# EAGLE board RedBoard-Panel (EAGLE 9.6.2), part 1 of 6 (continued)
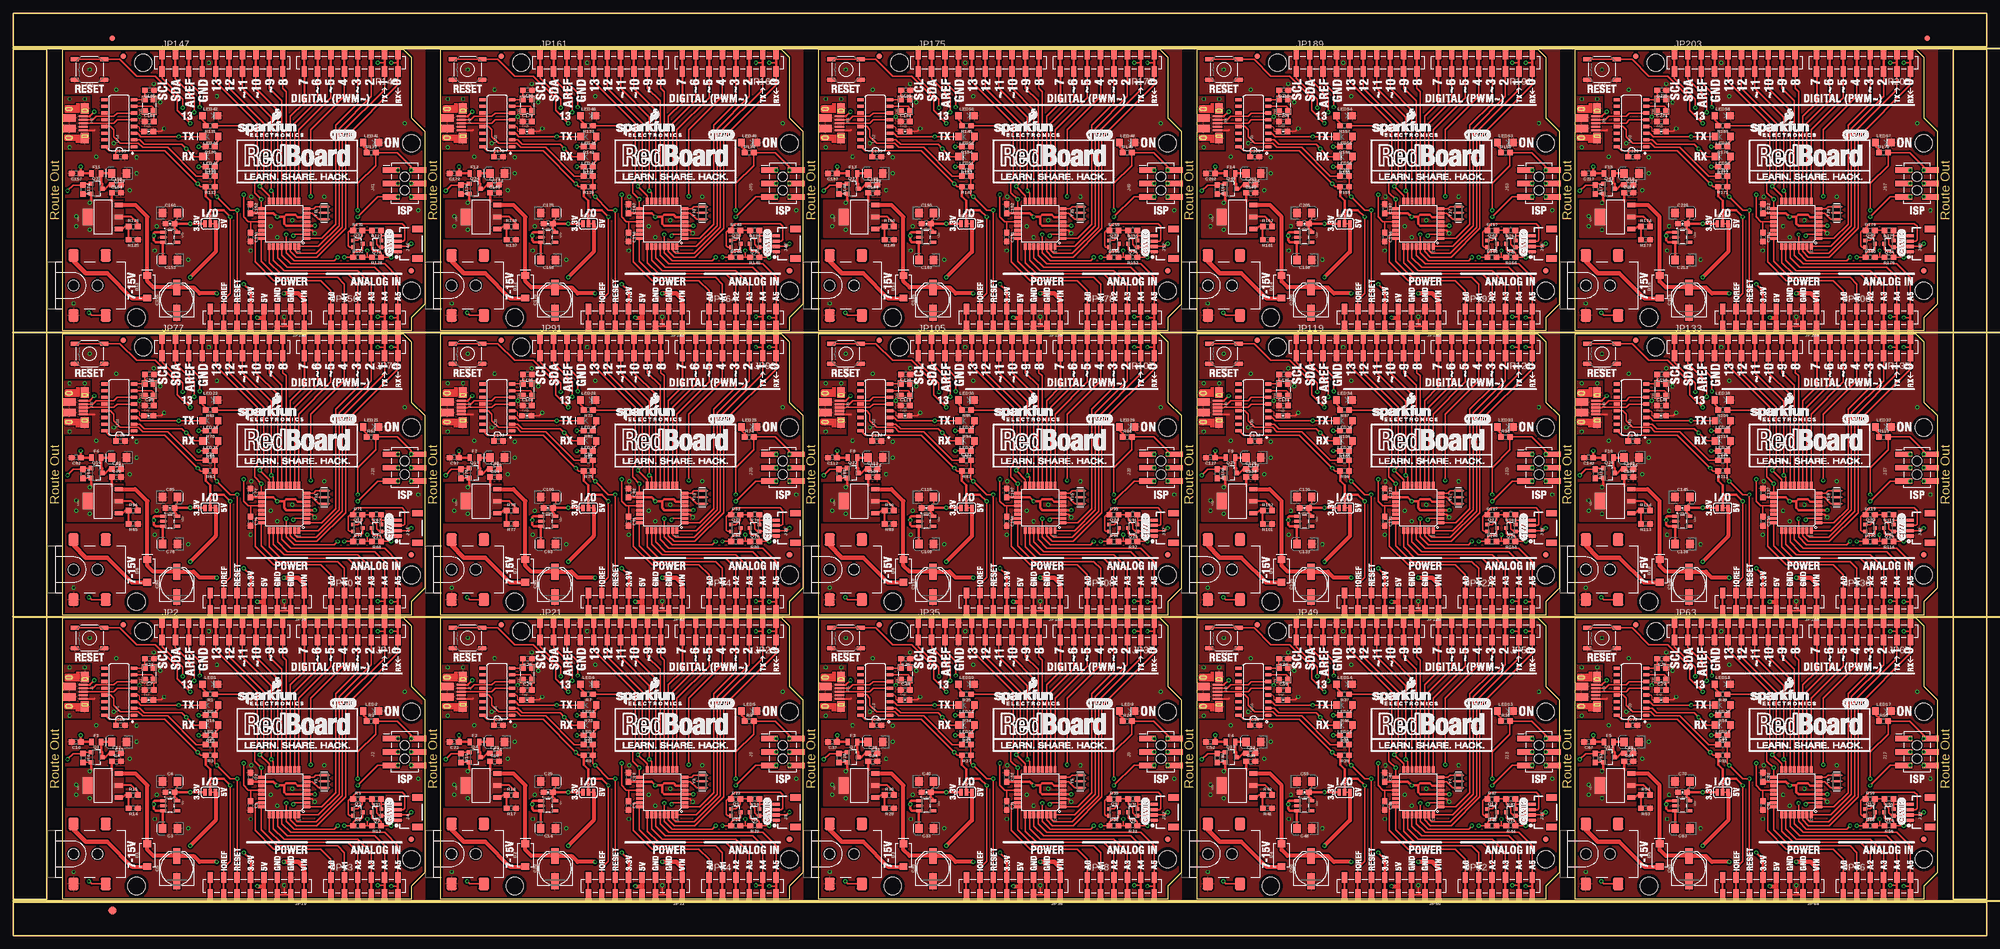
[diagram p0: board, top side]
## Placement (x,y rotation side) (continued)
J55  AMP FCI 10103594-0001LF  [USB-MICROB-PTH-MILL]  226.82,153.92 270 top
J56  [1X04_1MM_RA]  287.78,131.06 90 top
J57  ISP  [2X3_SMT_POSTS]  360.68,142.49 270 top
J58  POWER_JACKSUPER_BOMB_DIGITY  [POWER_JACK_SMD_OVERPASTE_SUPER_BOMB_DIGITY]  297.94,123.19 0 top
J59  AMP FCI 10103594-0001LF  [USB-MICROB-PTH-MILL]  298.45,153.92 270 top
J60  [1X04_1MM_RA]  359.41,131.06 90 top
JP1  STAND-OFF  [STAND-OFF]  95,9.4 0 top
JP2  M10SMD_COMBO  [1X10_SMD_COMBINED]  28.19,57.66 0 top
JP3  STAND-OFF  [STAND-OFF]  23.37,9.4 0 top
JP4  STAND-OFF  [STAND-OFF]  75.44,14.48 0 top
JP5  STAND-OFF  [STAND-OFF]  75.44,42.42 0 top
JP6  STAND-OFF  [STAND-OFF]  24.64,57.66 0 top
JP7  STAND-OFF  [STAND-OFF]  147.07,14.48 0 top
JP8  FIDUCIAL1X2  [FIDUCIAL-1X2]  75.44,18.29 0 top
JP9  FIDUCIAL1X2  [FIDUCIAL-1X2]  20.83,58.93 0 top
JP10  [1X08_SMD_COMBINED]  55.12,9.4 180 top
JP11  JP11  [1X08_SMD_COMBINED@1]  72.9,57.66 180 top
JP12  [SMT-JUMPER_2_NC_TRACE_SILK]  71.63,19.18 270 bottom
JP13  [1X06_SMD_STRAIGHT_COMBO]  60.2,9.4 0 top
JP14  [SMT-JUMPER_2_NC_TRACE_SILK]  62.74,19.18 270 bottom
JP15  FIDUCIAL1X2  [FIDUCIAL-1X2]  20.83,58.93 0 bottom
JP16  FIDUCIAL1X2  [FIDUCIAL-1X2]  75.44,18.29 0 bottom
JP17  STAND-OFF  [STAND-OFF]  147.07,42.42 0 top
JP18  STAND-OFF  [STAND-OFF]  96.27,57.66 0 top
JP19  FIDUCIAL1X2  [FIDUCIAL-1X2]  147.07,18.29 0 top
JP20  FIDUCIAL1X2  [FIDUCIAL-1X2]  92.46,58.93 0 top
JP21  M10SMD_COMBO  [1X10_SMD_COMBINED]  99.82,57.66 0 top
JP22  [1X08_SMD_COMBINED]  126.75,9.4 180 top
JP23  JP11  [1X08_SMD_COMBINED@1]  144.53,57.66 180 top
JP24  [1X06_SMD_STRAIGHT_COMBO]  131.83,9.4 0 top
JP25  [SMT-JUMPER_2_NC_TRACE_SILK]  143.26,19.18 270 bottom
JP26  [SMT-JUMPER_2_NC_TRACE_SILK]  134.37,19.18 270 bottom
JP27  FIDUCIAL1X2  [FIDUCIAL-1X2]  92.46,58.93 0 bottom
JP28  FIDUCIAL1X2  [FIDUCIAL-1X2]  147.07,18.29 0 bottom
JP29  STAND-OFF  [STAND-OFF]  166.62,9.4 0 top
JP30  STAND-OFF  [STAND-OFF]  218.69,14.48 0 top
JP31  STAND-OFF  [STAND-OFF]  218.69,42.42 0 top
JP32  STAND-OFF  [STAND-OFF]  167.89,57.66 0 top
JP33  FIDUCIAL1X2  [FIDUCIAL-1X2]  218.69,18.29 0 top
JP34  FIDUCIAL1X2  [FIDUCIAL-1X2]  164.08,58.93 0 top
JP35  M10SMD_COMBO  [1X10_SMD_COMBINED]  171.45,57.66 0 top
JP36  [1X08_SMD_COMBINED]  198.37,9.4 180 top
JP37  JP11  [1X08_SMD_COMBINED@1]  216.15,57.66 180 top
JP38  [1X06_SMD_STRAIGHT_COMBO]  203.45,9.4 0 top
JP39  [SMT-JUMPER_2_NC_TRACE_SILK]  214.88,19.18 270 bottom
JP40  [SMT-JUMPER_2_NC_TRACE_SILK]  205.99,19.18 270 bottom
JP41  FIDUCIAL1X2  [FIDUCIAL-1X2]  164.08,58.93 0 bottom
JP42  FIDUCIAL1X2  [FIDUCIAL-1X2]  218.69,18.29 0 bottom
JP43  STAND-OFF  [STAND-OFF]  238.25,9.4 0 top
JP44  STAND-OFF  [STAND-OFF]  290.32,14.48 0 top
JP45  STAND-OFF  [STAND-OFF]  290.32,42.42 0 top
JP46  STAND-OFF  [STAND-OFF]  239.52,57.66 0 top
JP47  FIDUCIAL1X2  [FIDUCIAL-1X2]  290.32,18.29 0 top
JP48  FIDUCIAL1X2  [FIDUCIAL-1X2]  235.71,58.93 0 top
JP49  M10SMD_COMBO  [1X10_SMD_COMBINED]  243.08,57.66 0 top
JP50  [1X08_SMD_COMBINED]  270,9.4 180 top
JP51  JP11  [1X08_SMD_COMBINED@1]  287.78,57.66 180 top
JP52  [1X06_SMD_STRAIGHT_COMBO]  275.08,9.4 0 top
JP53  [SMT-JUMPER_2_NC_TRACE_SILK]  286.51,19.18 270 bottom
JP54  [SMT-JUMPER_2_NC_TRACE_SILK]  277.62,19.18 270 bottom
JP55  FIDUCIAL1X2  [FIDUCIAL-1X2]  235.71,58.93 0 bottom
JP56  FIDUCIAL1X2  [FIDUCIAL-1X2]  290.32,18.29 0 bottom
JP57  STAND-OFF  [STAND-OFF]  309.88,9.4 0 top
JP58  STAND-OFF  [STAND-OFF]  361.95,14.48 0 top
JP59  STAND-OFF  [STAND-OFF]  361.95,42.42 0 top
JP60  STAND-OFF  [STAND-OFF]  311.15,57.66 0 top
JP61  FIDUCIAL1X2  [FIDUCIAL-1X2]  361.95,18.29 0 top
JP62  FIDUCIAL1X2  [FIDUCIAL-1X2]  307.34,58.93 0 top
JP63  M10SMD_COMBO  [1X10_SMD_COMBINED]  314.71,57.66 0 top
JP64  [1X08_SMD_COMBINED]  341.63,9.4 180 top
JP65  JP11  [1X08_SMD_COMBINED@1]  359.41,57.66 180 top
JP66  [1X06_SMD_STRAIGHT_COMBO]  346.71,9.4 0 top
JP67  [SMT-JUMPER_2_NC_TRACE_SILK]  358.14,19.18 270 bottom
JP68  [SMT-JUMPER_2_NC_TRACE_SILK]  349.25,19.18 270 bottom
JP69  FIDUCIAL1X2  [FIDUCIAL-1X2]  307.34,58.93 0 bottom
JP70  FIDUCIAL1X2  [FIDUCIAL-1X2]  361.95,18.29 0 bottom
JP71  STAND-OFF  [STAND-OFF]  23.37,63.25 0 top
JP72  STAND-OFF  [STAND-OFF]  75.44,68.33 0 top
JP73  STAND-OFF  [STAND-OFF]  75.44,96.27 0 top
JP74  STAND-OFF  [STAND-OFF]  24.64,111.51 0 top
JP75  FIDUCIAL1X2  [FIDUCIAL-1X2]  75.44,72.14 0 top
JP76  FIDUCIAL1X2  [FIDUCIAL-1X2]  20.83,112.78 0 top
JP77  M10SMD_COMBO  [1X10_SMD_COMBINED]  28.19,111.51 0 top
JP78  [1X08_SMD_COMBINED]  55.12,63.25 180 top
JP79  JP11  [1X08_SMD_COMBINED@1]  72.9,111.51 180 top
JP80  [1X06_SMD_STRAIGHT_COMBO]  60.2,63.25 0 top
JP81  [SMT-JUMPER_2_NC_TRACE_SILK]  71.63,73.03 270 bottom
JP82  [SMT-JUMPER_2_NC_TRACE_SILK]  62.74,73.03 270 bottom
JP83  FIDUCIAL1X2  [FIDUCIAL-1X2]  20.83,112.78 0 bottom
JP84  FIDUCIAL1X2  [FIDUCIAL-1X2]  75.44,72.14 0 bottom
JP85  STAND-OFF  [STAND-OFF]  95,63.25 0 top
JP86  STAND-OFF  [STAND-OFF]  147.07,68.33 0 top
JP87  STAND-OFF  [STAND-OFF]  147.07,96.27 0 top
JP88  STAND-OFF  [STAND-OFF]  96.27,111.51 0 top
JP89  FIDUCIAL1X2  [FIDUCIAL-1X2]  147.07,72.14 0 top
JP90  FIDUCIAL1X2  [FIDUCIAL-1X2]  92.46,112.78 0 top
JP91  M10SMD_COMBO  [1X10_SMD_COMBINED]  99.82,111.51 0 top
JP92  [1X08_SMD_COMBINED]  126.75,63.25 180 top
JP93  JP11  [1X08_SMD_COMBINED@1]  144.53,111.51 180 top
JP94  [1X06_SMD_STRAIGHT_COMBO]  131.83,63.25 0 top
JP95  [SMT-JUMPER_2_NC_TRACE_SILK]  143.26,73.03 270 bottom
JP96  [SMT-JUMPER_2_NC_TRACE_SILK]  134.37,73.03 270 bottom
JP97  FIDUCIAL1X2  [FIDUCIAL-1X2]  92.46,112.78 0 bottom
JP98  FIDUCIAL1X2  [FIDUCIAL-1X2]  147.07,72.14 0 bottom
JP99  STAND-OFF  [STAND-OFF]  166.62,63.25 0 top
JP100  STAND-OFF  [STAND-OFF]  218.69,68.33 0 top
JP101  STAND-OFF  [STAND-OFF]  218.69,96.27 0 top
JP102  STAND-OFF  [STAND-OFF]  167.89,111.51 0 top
JP103  FIDUCIAL1X2  [FIDUCIAL-1X2]  218.69,72.14 0 top
JP104  FIDUCIAL1X2  [FIDUCIAL-1X2]  164.08,112.78 0 top
JP105  M10SMD_COMBO  [1X10_SMD_COMBINED]  171.45,111.51 0 top
JP106  [1X08_SMD_COMBINED]  198.37,63.25 180 top
JP107  JP11  [1X08_SMD_COMBINED@1]  216.15,111.51 180 top
JP108  [1X06_SMD_STRAIGHT_COMBO]  203.45,63.25 0 top
JP109  [SMT-JUMPER_2_NC_TRACE_SILK]  214.88,73.03 270 bottom
JP110  [SMT-JUMPER_2_NC_TRACE_SILK]  205.99,73.03 270 bottom
JP111  FIDUCIAL1X2  [FIDUCIAL-1X2]  164.08,112.78 0 bottom
JP112  FIDUCIAL1X2  [FIDUCIAL-1X2]  218.69,72.14 0 bottom
JP113  STAND-OFF  [STAND-OFF]  238.25,63.25 0 top
JP114  STAND-OFF  [STAND-OFF]  290.32,68.33 0 top
JP115  STAND-OFF  [STAND-OFF]  290.32,96.27 0 top
JP116  STAND-OFF  [STAND-OFF]  239.52,111.51 0 top
JP117  FIDUCIAL1X2  [FIDUCIAL-1X2]  290.32,72.14 0 top
JP118  FIDUCIAL1X2  [FIDUCIAL-1X2]  235.71,112.78 0 top
JP119  M10SMD_COMBO  [1X10_SMD_COMBINED]  243.08,111.51 0 top
JP120  [1X08_SMD_COMBINED]  270,63.25 180 top
JP121  JP11  [1X08_SMD_COMBINED@1]  287.78,111.51 180 top
JP122  [1X06_SMD_STRAIGHT_COMBO]  275.08,63.25 0 top
JP123  [SMT-JUMPER_2_NC_TRACE_SILK]  286.51,73.03 270 bottom
JP124  [SMT-JUMPER_2_NC_TRACE_SILK]  277.62,73.03 270 bottom
JP125  FIDUCIAL1X2  [FIDUCIAL-1X2]  235.71,112.78 0 bottom
JP126  FIDUCIAL1X2  [FIDUCIAL-1X2]  290.32,72.14 0 bottom
JP127  STAND-OFF  [STAND-OFF]  309.88,63.25 0 top
JP128  STAND-OFF  [STAND-OFF]  361.95,68.33 0 top
JP129  STAND-OFF  [STAND-OFF]  361.95,96.27 0 top
JP130  STAND-OFF  [STAND-OFF]  311.15,111.51 0 top
JP131  FIDUCIAL1X2  [FIDUCIAL-1X2]  361.95,72.14 0 top
JP132  FIDUCIAL1X2  [FIDUCIAL-1X2]  307.34,112.78 0 top
JP133  M10SMD_COMBO  [1X10_SMD_COMBINED]  314.71,111.51 0 top
JP134  [1X08_SMD_COMBINED]  341.63,63.25 180 top
JP135  JP11  [1X08_SMD_COMBINED@1]  359.41,111.51 180 top
JP136  [1X06_SMD_STRAIGHT_COMBO]  346.71,63.25 0 top
JP137  [SMT-JUMPER_2_NC_TRACE_SILK]  358.14,73.03 270 bottom
JP138  [SMT-JUMPER_2_NC_TRACE_SILK]  349.25,73.03 270 bottom
JP139  FIDUCIAL1X2  [FIDUCIAL-1X2]  307.34,112.78 0 bottom
JP140  FIDUCIAL1X2  [FIDUCIAL-1X2]  361.95,72.14 0 bottom
JP141  STAND-OFF  [STAND-OFF]  23.37,117.09 0 top
JP142  STAND-OFF  [STAND-OFF]  75.44,122.17 0 top
JP143  STAND-OFF  [STAND-OFF]  75.44,150.11 0 top
JP144  STAND-OFF  [STAND-OFF]  24.64,165.35 0 top
JP145  FIDUCIAL1X2  [FIDUCIAL-1X2]  75.44,125.98 0 top
JP146  FIDUCIAL1X2  [FIDUCIAL-1X2]  20.83,166.62 0 top
JP147  M10SMD_COMBO  [1X10_SMD_COMBINED]  28.19,165.35 0 top
JP148  [1X08_SMD_COMBINED]  55.12,117.09 180 top
JP149  JP11  [1X08_SMD_COMBINED@1]  72.9,165.35 180 top
JP150  [1X06_SMD_STRAIGHT_COMBO]  60.2,117.09 0 top
JP151  [SMT-JUMPER_2_NC_TRACE_SILK]  71.63,126.87 270 bottom
JP152  [SMT-JUMPER_2_NC_TRACE_SILK]  62.74,126.87 270 bottom
JP153  FIDUCIAL1X2  [FIDUCIAL-1X2]  20.83,166.62 0 bottom
JP154  FIDUCIAL1X2  [FIDUCIAL-1X2]  75.44,125.98 0 bottom
JP155  STAND-OFF  [STAND-OFF]  95,117.09 0 top
JP156  STAND-OFF  [STAND-OFF]  147.07,122.17 0 top
JP157  STAND-OFF  [STAND-OFF]  147.07,150.11 0 top
JP158  STAND-OFF  [STAND-OFF]  96.27,165.35 0 top
JP159  FIDUCIAL1X2  [FIDUCIAL-1X2]  147.07,125.98 0 top
JP160  FIDUCIAL1X2  [FIDUCIAL-1X2]  92.46,166.62 0 top
JP161  M10SMD_COMBO  [1X10_SMD_COMBINED]  99.82,165.35 0 top
JP162  [1X08_SMD_COMBINED]  126.75,117.09 180 top
JP163  JP11  [1X08_SMD_COMBINED@1]  144.53,165.35 180 top
JP164  [1X06_SMD_STRAIGHT_COMBO]  131.83,117.09 0 top
JP165  [SMT-JUMPER_2_NC_TRACE_SILK]  143.26,126.87 270 bottom
JP166  [SMT-JUMPER_2_NC_TRACE_SILK]  134.37,126.87 270 bottom
JP167  FIDUCIAL1X2  [FIDUCIAL-1X2]  92.46,166.62 0 bottom
JP168  FIDUCIAL1X2  [FIDUCIAL-1X2]  147.07,125.98 0 bottom
JP169  STAND-OFF  [STAND-OFF]  166.62,117.09 0 top
JP170  STAND-OFF  [STAND-OFF]  218.69,122.17 0 top
JP171  STAND-OFF  [STAND-OFF]  218.69,150.11 0 top
JP172  STAND-OFF  [STAND-OFF]  167.89,165.35 0 top
JP173  FIDUCIAL1X2  [FIDUCIAL-1X2]  218.69,125.98 0 top
JP174  FIDUCIAL1X2  [FIDUCIAL-1X2]  164.08,166.62 0 top
JP175  M10SMD_COMBO  [1X10_SMD_COMBINED]  171.45,165.35 0 top
JP176  [1X08_SMD_COMBINED]  198.37,117.09 180 top
JP177  JP11  [1X08_SMD_COMBINED@1]  216.15,165.35 180 top
JP178  [1X06_SMD_STRAIGHT_COMBO]  203.45,117.09 0 top
JP179  [SMT-JUMPER_2_NC_TRACE_SILK]  214.88,126.87 270 bottom
JP180  [SMT-JUMPER_2_NC_TRACE_SILK]  205.99,126.87 270 bottom
JP181  FIDUCIAL1X2  [FIDUCIAL-1X2]  164.08,166.62 0 bottom
JP182  FIDUCIAL1X2  [FIDUCIAL-1X2]  218.69,125.98 0 bottom
JP183  STAND-OFF  [STAND-OFF]  238.25,117.09 0 top
JP184  STAND-OFF  [STAND-OFF]  290.32,122.17 0 top
JP185  STAND-OFF  [STAND-OFF]  290.32,150.11 0 top
JP186  STAND-OFF  [STAND-OFF]  239.52,165.35 0 top
JP187  FIDUCIAL1X2  [FIDUCIAL-1X2]  290.32,125.98 0 top
JP188  FIDUCIAL1X2  [FIDUCIAL-1X2]  235.71,166.62 0 top
JP189  M10SMD_COMBO  [1X10_SMD_COMBINED]  243.08,165.35 0 top
JP190  [1X08_SMD_COMBINED]  270,117.09 180 top
JP191  JP11  [1X08_SMD_COMBINED@1]  287.78,165.35 180 top
JP192  [1X06_SMD_STRAIGHT_COMBO]  275.08,117.09 0 top
JP193  [SMT-JUMPER_2_NC_TRACE_SILK]  286.51,126.87 270 bottom
JP194  [SMT-JUMPER_2_NC_TRACE_SILK]  277.62,126.87 270 bottom
JP195  FIDUCIAL1X2  [FIDUCIAL-1X2]  235.71,166.62 0 bottom
JP196  FIDUCIAL1X2  [FIDUCIAL-1X2]  290.32,125.98 0 bottom
JP197  STAND-OFF  [STAND-OFF]  309.88,117.09 0 top
JP198  STAND-OFF  [STAND-OFF]  361.95,122.17 0 top
JP199  STAND-OFF  [STAND-OFF]  361.95,150.11 0 top
JP200  STAND-OFF  [STAND-OFF]  311.15,165.35 0 top
JP201  FIDUCIAL1X2  [FIDUCIAL-1X2]  361.95,125.98 0 top
JP202  FIDUCIAL1X2  [FIDUCIAL-1X2]  307.34,166.62 0 top
JP203  M10SMD_COMBO  [1X10_SMD_COMBINED]  314.71,165.35 0 top
JP204  [1X08_SMD_COMBINED]  341.63,117.09 180 top
JP205  JP11  [1X08_SMD_COMBINED@1]  359.41,165.35 180 top
JP206  [1X06_SMD_STRAIGHT_COMBO]  346.71,117.09 0 top
JP207  [SMT-JUMPER_2_NC_TRACE_SILK]  358.14,126.87 270 bottom
JP208  [SMT-JUMPER_2_NC_TRACE_SILK]  349.25,126.87 270 bottom
JP209  FIDUCIAL1X2  [FIDUCIAL-1X2]  307.34,166.62 0 bottom
JP210  FIDUCIAL1X2  [FIDUCIAL-1X2]  361.95,125.98 0 bottom
LED1  Blue  [LED-1206-HIDDENSILK]  37.34,47.62 0 top
LED2  GREEN  [LED-1206-HIDDENSILK]  67.82,42.54 0 top
LED3  Yellow  [LED-1206-HIDDENSILK]  37.34,39.88 180 top
LED4  GREEN  [LED-1206]  37.34,43.69 180 top
LED5  GREEN  [LED-1206-HIDDENSILK]  139.45,42.54 0 top
LED6  Blue  [LED-1206-HIDDENSILK]  108.97,47.62 0 top
LED7  Yellow  [LED-1206-HIDDENSILK]  108.97,39.88 180 top
LED8  GREEN  [LED-1206]  108.97,43.69 180 top
LED9  GREEN  [LED-1206-HIDDENSILK]  211.07,42.54 0 top
LED10  Blue  [LED-1206-HIDDENSILK]  180.59,47.62 0 top
LED11  Yellow  [LED-1206-HIDDENSILK]  180.59,39.88 180 top
LED12  GREEN  [LED-1206]  180.59,43.69 180 top
LED13  GREEN  [LED-1206-HIDDENSILK]  282.7,42.54 0 top
LED14  Blue  [LED-1206-HIDDENSILK]  252.22,47.62 0 top
LED15  Yellow  [LED-1206-HIDDENSILK]  252.22,39.88 180 top
LED16  GREEN  [LED-1206]  252.22,43.69 180 top
LED17  GREEN  [LED-1206-HIDDENSILK]  354.33,42.54 0 top
LED18  Blue  [LED-1206-HIDDENSILK]  323.85,47.62 0 top
LED19  Yellow  [LED-1206-HIDDENSILK]  323.85,39.88 180 top
LED20  GREEN  [LED-1206]  323.85,43.69 180 top
LED21  GREEN  [LED-1206-HIDDENSILK]  67.82,96.39 0 top
LED22  Blue  [LED-1206-HIDDENSILK]  37.34,101.47 0 top
LED23  Yellow  [LED-1206-HIDDENSILK]  37.34,93.73 180 top
LED24  GREEN  [LED-1206]  37.34,97.54 180 top
LED25  GREEN  [LED-1206-HIDDENSILK]  139.45,96.39 0 top
LED26  Blue  [LED-1206-HIDDENSILK]  108.97,101.47 0 top
LED27  Yellow  [LED-1206-HIDDENSILK]  108.97,93.73 180 top
LED28  GREEN  [LED-1206]  108.97,97.54 180 top
LED29  GREEN  [LED-1206-HIDDENSILK]  211.07,96.39 0 top
LED30  Blue  [LED-1206-HIDDENSILK]  180.59,101.47 0 top
LED31  Yellow  [LED-1206-HIDDENSILK]  180.59,93.73 180 top
LED32  GREEN  [LED-1206]  180.59,97.54 180 top
LED33  GREEN  [LED-1206-HIDDENSILK]  282.7,96.39 0 top
LED34  Blue  [LED-1206-HIDDENSILK]  252.22,101.47 0 top
LED35  Yellow  [LED-1206-HIDDENSILK]  252.22,93.73 180 top
LED36  GREEN  [LED-1206]  252.22,97.54 180 top
LED37  GREEN  [LED-1206-HIDDENSILK]  354.33,96.39 0 top
LED38  Blue  [LED-1206-HIDDENSILK]  323.85,101.47 0 top
LED39  Yellow  [LED-1206-HIDDENSILK]  323.85,93.73 180 top
LED40  GREEN  [LED-1206]  323.85,97.54 180 top
LED41  GREEN  [LED-1206-HIDDENSILK]  67.82,150.24 0 top
LED42  Blue  [LED-1206-HIDDENSILK]  37.34,155.32 0 top
LED43  Yellow  [LED-1206-HIDDENSILK]  37.34,147.57 180 top
LED44  GREEN  [LED-1206]  37.34,151.38 180 top
LED45  GREEN  [LED-1206-HIDDENSILK]  139.45,150.24 0 top
LED46  Blue  [LED-1206-HIDDENSILK]  108.97,155.32 0 top
LED47  Yellow  [LED-1206-HIDDENSILK]  108.97,147.57 180 top
LED48  GREEN  [LED-1206]  108.97,151.38 180 top
LED49  GREEN  [LED-1206-HIDDENSILK]  211.07,150.24 0 top
LED50  Blue  [LED-1206-HIDDENSILK]  180.59,155.32 0 top
LED51  Yellow  [LED-1206-HIDDENSILK]  180.59,147.57 180 top
LED52  GREEN  [LED-1206]  180.59,151.38 180 top
LED53  GREEN  [LED-1206-HIDDENSILK]  282.7,150.24 0 top
LED54  Blue  [LED-1206-HIDDENSILK]  252.22,155.32 0 top
LED55  Yellow  [LED-1206-HIDDENSILK]  252.22,147.57 180 top
LED56  GREEN  [LED-1206]  252.22,151.38 180 top
LED57  GREEN  [LED-1206-HIDDENSILK]  354.33,150.24 0 top
LED58  Blue  [LED-1206-HIDDENSILK]  323.85,155.32 0 top
LED59  Yellow  [LED-1206-HIDDENSILK]  323.85,147.57 180 top
LED60  GREEN  [LED-1206]  323.85,151.38 180 top
LOGO1  REVISION  [REVISION]  21.84,-13.08 0 top  (outside the outline)
LOGO2  SFE_LOGO_NAME_FLAME.1_INCH  [SFE_LOGO_NAME_FLAME_.1]  48.21,45.24 0 top
LOGO3  QWIIC_LOGO_5MM  [QWIIC_5MM]  71.22,23.55 90 top
LOGO4  QWIIC_LOGO_5MM  [QWIIC_5MM]  62.51,44.07 0 top
LOGO5  QWIIC_LOGO_5MM  [QWIIC_5MM]  45.67,53.52 0 bottom
LOGO6  REVISION  [REVISION]  93.47,-13.08 0 top  (outside the outline)
LOGO7  SFE_LOGO_NAME_FLAME.1_INCH  [SFE_LOGO_NAME_FLAME_.1]  119.84,45.24 0 top
LOGO8  QWIIC_LOGO_5MM  [QWIIC_5MM]  142.85,23.55 90 top
LOGO9  QWIIC_LOGO_5MM  [QWIIC_5MM]  134.14,44.07 0 top
LOGO10  QWIIC_LOGO_5MM  [QWIIC_5MM]  117.3,53.52 0 bottom
LOGO11  REVISION  [REVISION]  165.1,-13.08 0 top  (outside the outline)
LOGO12  SFE_LOGO_NAME_FLAME.1_INCH  [SFE_LOGO_NAME_FLAME_.1]  191.47,45.24 0 top
LOGO13  QWIIC_LOGO_5MM  [QWIIC_5MM]  214.48,23.55 90 top
LOGO14  QWIIC_LOGO_5MM  [QWIIC_5MM]  205.77,44.07 0 top
LOGO15  QWIIC_LOGO_5MM  [QWIIC_5MM]  188.93,53.52 0 bottom
LOGO16  REVISION  [REVISION]  236.73,-13.08 0 top  (outside the outline)
LOGO17  SFE_LOGO_NAME_FLAME.1_INCH  [SFE_LOGO_NAME_FLAME_.1]  263.09,45.24 0 top
LOGO18  QWIIC_LOGO_5MM  [QWIIC_5MM]  286.11,23.55 90 top
LOGO19  QWIIC_LOGO_5MM  [QWIIC_5MM]  277.39,44.07 0 top
LOGO20  QWIIC_LOGO_5MM  [QWIIC_5MM]  260.55,53.52 0 bottom
LOGO21  REVISION  [REVISION]  308.36,-13.08 0 top  (outside the outline)
LOGO22  SFE_LOGO_NAME_FLAME.1_INCH  [SFE_LOGO_NAME_FLAME_.1]  334.72,45.24 0 top
LOGO23  QWIIC_LOGO_5MM  [QWIIC_5MM]  357.73,23.55 90 top
LOGO24  QWIIC_LOGO_5MM  [QWIIC_5MM]  349.02,44.07 0 top
LOGO25  QWIIC_LOGO_5MM  [QWIIC_5MM]  332.18,53.52 0 bottom
LOGO26  REVISION  [REVISION]  21.84,40.77 0 top
LOGO27  SFE_LOGO_NAME_FLAME.1_INCH  [SFE_LOGO_NAME_FLAME_.1]  48.21,99.09 0 top
LOGO28  QWIIC_LOGO_5MM  [QWIIC_5MM]  71.22,77.39 90 top
LOGO29  QWIIC_LOGO_5MM  [QWIIC_5MM]  62.51,97.92 0 top
LOGO30  QWIIC_LOGO_5MM  [QWIIC_5MM]  45.67,107.37 0 bottom
LOGO31  REVISION  [REVISION]  93.47,40.77 0 top
LOGO32  SFE_LOGO_NAME_FLAME.1_INCH  [SFE_LOGO_NAME_FLAME_.1]  119.84,99.09 0 top
LOGO33  QWIIC_LOGO_5MM  [QWIIC_5MM]  142.85,77.39 90 top
LOGO34  QWIIC_LOGO_5MM  [QWIIC_5MM]  134.14,97.92 0 top
LOGO35  QWIIC_LOGO_5MM  [QWIIC_5MM]  117.3,107.37 0 bottom
LOGO36  REVISION  [REVISION]  165.1,40.77 0 top
LOGO37  SFE_LOGO_NAME_FLAME.1_INCH  [SFE_LOGO_NAME_FLAME_.1]  191.47,99.09 0 top
LOGO38  QWIIC_LOGO_5MM  [QWIIC_5MM]  214.48,77.39 90 top
LOGO39  QWIIC_LOGO_5MM  [QWIIC_5MM]  205.77,97.92 0 top
LOGO40  QWIIC_LOGO_5MM  [QWIIC_5MM]  188.93,107.37 0 bottom
LOGO41  REVISION  [REVISION]  236.73,40.77 0 top
LOGO42  SFE_LOGO_NAME_FLAME.1_INCH  [SFE_LOGO_NAME_FLAME_.1]  263.09,99.09 0 top
LOGO43  QWIIC_LOGO_5MM  [QWIIC_5MM]  286.11,77.39 90 top
LOGO44  QWIIC_LOGO_5MM  [QWIIC_5MM]  277.39,97.92 0 top
LOGO45  QWIIC_LOGO_5MM  [QWIIC_5MM]  260.55,107.37 0 bottom
LOGO46  REVISION  [REVISION]  308.36,40.77 0 top
LOGO47  SFE_LOGO_NAME_FLAME.1_INCH  [SFE_LOGO_NAME_FLAME_.1]  334.72,99.09 0 top
LOGO48  QWIIC_LOGO_5MM  [QWIIC_5MM]  357.73,77.39 90 top
LOGO49  QWIIC_LOGO_5MM  [QWIIC_5MM]  349.02,97.92 0 top
LOGO50  QWIIC_LOGO_5MM  [QWIIC_5MM]  332.18,107.37 0 bottom
LOGO51  REVISION  [REVISION]  21.84,94.62 0 top
LOGO52  SFE_LOGO_NAME_FLAME.1_INCH  [SFE_LOGO_NAME_FLAME_.1]  48.21,152.93 0 top
LOGO53  QWIIC_LOGO_5MM  [QWIIC_5MM]  71.22,131.24 90 top
LOGO54  QWIIC_LOGO_5MM  [QWIIC_5MM]  62.51,151.77 0 top
LOGO55  QWIIC_LOGO_5MM  [QWIIC_5MM]  45.67,161.21 0 bottom
LOGO56  REVISION  [REVISION]  93.47,94.62 0 top
LOGO57  SFE_LOGO_NAME_FLAME.1_INCH  [SFE_LOGO_NAME_FLAME_.1]  119.84,152.93 0 top
LOGO58  QWIIC_LOGO_5MM  [QWIIC_5MM]  142.85,131.24 90 top
LOGO59  QWIIC_LOGO_5MM  [QWIIC_5MM]  134.14,151.77 0 top
LOGO60  QWIIC_LOGO_5MM  [QWIIC_5MM]  117.3,161.21 0 bottom
LOGO61  REVISION  [REVISION]  165.1,94.62 0 top
LOGO62  SFE_LOGO_NAME_FLAME.1_INCH  [SFE_LOGO_NAME_FLAME_.1]  191.47,152.93 0 top
LOGO63  QWIIC_LOGO_5MM  [QWIIC_5MM]  214.48,131.24 90 top
LOGO64  QWIIC_LOGO_5MM  [QWIIC_5MM]  205.77,151.77 0 top
LOGO65  QWIIC_LOGO_5MM  [QWIIC_5MM]  188.93,161.21 0 bottom
LOGO66  REVISION  [REVISION]  236.73,94.62 0 top
LOGO67  SFE_LOGO_NAME_FLAME.1_INCH  [SFE_LOGO_NAME_FLAME_.1]  263.09,152.93 0 top
LOGO68  QWIIC_LOGO_5MM  [QWIIC_5MM]  286.11,131.24 90 top
LOGO69  QWIIC_LOGO_5MM  [QWIIC_5MM]  277.39,151.77 0 top
LOGO70  QWIIC_LOGO_5MM  [QWIIC_5MM]  260.55,161.21 0 bottom
LOGO71  REVISION  [REVISION]  308.36,94.62 0 top
LOGO72  SFE_LOGO_NAME_FLAME.1_INCH  [SFE_LOGO_NAME_FLAME_.1]  334.72,152.93 0 top
LOGO73  QWIIC_LOGO_5MM  [QWIIC_5MM]  357.73,131.24 90 top
LOGO74  QWIIC_LOGO_5MM  [QWIIC_5MM]  349.02,151.77 0 top
LOGO75  QWIIC_LOGO_5MM  [QWIIC_5MM]  332.18,161.21 0 bottom
Q1  1A/60V/500mΩ  [SOT23-3]  15.75,33.78 270 top
Q2  2N7002PW  [SOT323]  68.83,23.37 90 top
Q3  2N7002PW  [SOT323]  65.28,23.37 270 top
Q4  1A/60V/500mΩ  [SOT23-3]  87.38,33.78 270 top
Q5  2N7002PW  [SOT323]  140.46,23.37 90 top
Q6  2N7002PW  [SOT323]  136.91,23.37 270 top
Q7  1A/60V/500mΩ  [SOT23-3]  159,33.78 270 top
Q8  2N7002PW  [SOT323]  212.09,23.37 90 top
Q9  2N7002PW  [SOT323]  208.53,23.37 270 top
Q10  1A/60V/500mΩ  [SOT23-3]  230.63,33.78 270 top
Q11  2N7002PW  [SOT323]  283.72,23.37 90 top
Q12  2N7002PW  [SOT323]  280.16,23.37 270 top
Q13  1A/60V/500mΩ  [SOT23-3]  302.26,33.78 270 top
Q14  2N7002PW  [SOT323]  355.35,23.37 90 top
Q15  2N7002PW  [SOT323]  351.79,23.37 270 top
Q16  1A/60V/500mΩ  [SOT23-3]  15.75,87.63 270 top
Q17  2N7002PW  [SOT323]  68.83,77.22 90 top
Q18  2N7002PW  [SOT323]  65.28,77.22 270 top
Q19  1A/60V/500mΩ  [SOT23-3]  87.38,87.63 270 top
Q20  2N7002PW  [SOT323]  140.46,77.22 90 top
Q21  2N7002PW  [SOT323]  136.91,77.22 270 top
Q22  1A/60V/500mΩ  [SOT23-3]  159,87.63 270 top
Q23  2N7002PW  [SOT323]  212.09,77.22 90 top
Q24  2N7002PW  [SOT323]  208.53,77.22 270 top
Q25  1A/60V/500mΩ  [SOT23-3]  230.63,87.63 270 top
Q26  2N7002PW  [SOT323]  283.72,77.22 90 top
Q27  2N7002PW  [SOT323]  280.16,77.22 270 top
Q28  1A/60V/500mΩ  [SOT23-3]  302.26,87.63 270 top
Q29  2N7002PW  [SOT323]  355.35,77.22 90 top
Q30  2N7002PW  [SOT323]  351.79,77.22 270 top
Q31  1A/60V/500mΩ  [SOT23-3]  15.75,141.48 270 top
Q32  2N7002PW  [SOT323]  68.83,131.06 90 top
Q33  2N7002PW  [SOT323]  65.28,131.06 270 top
Q34  1A/60V/500mΩ  [SOT23-3]  87.38,141.48 270 top
Q35  2N7002PW  [SOT323]  140.46,131.06 90 top
Q36  2N7002PW  [SOT323]  136.91,131.06 270 top
Q37  1A/60V/500mΩ  [SOT23-3]  159,141.48 270 top
Q38  2N7002PW  [SOT323]  212.09,131.06 90 top
Q39  2N7002PW  [SOT323]  208.53,131.06 270 top
Q40  1A/60V/500mΩ  [SOT23-3]  230.63,141.48 270 top
Q41  2N7002PW  [SOT323]  283.72,131.06 90 top
Q42  2N7002PW  [SOT323]  280.16,131.06 270 top
Q43  1A/60V/500mΩ  [SOT23-3]  302.26,141.48 270 top
Q44  2N7002PW  [SOT323]  355.35,131.06 90 top
Q45  2N7002PW  [SOT323]  351.79,131.06 270 top
R1  4.7k  [0603]  37.34,45.72 180 top
R2  10k  [0603]  67.82,40.64 0 top
R3  10k  [0603]  37.34,34.16 180 top
R4  10k  [0603]  13.21,33.66 270 top
R5  2.2k  [0603]  65.28,25.91 0 top
R6  2.2k  [0603]  65.28,20.83 0 top
R7  4.7k  [0603]  108.97,45.72 180 top
R8  10k  [0603]  139.45,40.64 0 top
R9  10k  [0603]  108.97,34.16 180 top
R10  10k  [0603]  84.84,33.66 270 top
R11  2.2k  [0603]  68.83,25.91 180 top
R12  4.7k  [0603]  37.34,37.97 180 top
R13  2.2k  [0603]  68.83,20.83 180 top
R14  715  [0603]  22.73,24.13 180 top
R15  240  [0603]  22.73,26.67 0 top
R16  4.7k  [0603]  37.34,41.78 180 top
R17  715  [0603]  94.36,24.13 180 top
R18  240  [0603]  94.36,26.67 0 top
R19  2.2k  [0603]  140.46,25.91 180 top
R20  2.2k  [0603]  140.46,20.83 180 top
R21  4.7k  [0603]  108.97,37.97 180 top
R22  4.7k  [0603]  108.97,41.78 180 top
R23  2.2k  [0603]  136.91,25.91 0 top
R24  2.2k  [0603]  136.91,20.83 0 top
R25  4.7k  [0603]  180.59,45.72 180 top
R26  10k  [0603]  211.07,40.64 0 top
R27  10k  [0603]  180.59,34.16 180 top
R28  10k  [0603]  156.46,33.66 270 top
R29  715  [0603]  165.99,24.13 180 top
R30  240  [0603]  165.99,26.67 0 top
R31  2.2k  [0603]  212.09,25.91 180 top
R32  2.2k  [0603]  212.09,20.83 180 top
R33  4.7k  [0603]  180.59,37.97 180 top
R34  4.7k  [0603]  180.59,41.78 180 top
R35  2.2k  [0603]  208.53,25.91 0 top
R36  2.2k  [0603]  208.53,20.83 0 top
R37  4.7k  [0603]  252.22,45.72 180 top
R38  10k  [0603]  282.7,40.64 0 top
R39  10k  [0603]  252.22,34.16 180 top
R40  10k  [0603]  228.09,33.66 270 top
R41  715  [0603]  237.62,24.13 180 top
R42  240  [0603]  237.62,26.67 0 top
R43  2.2k  [0603]  283.72,25.91 180 top
R44  2.2k  [0603]  283.72,20.83 180 top
R45  4.7k  [0603]  252.22,37.97 180 top
R46  4.7k  [0603]  252.22,41.78 180 top
R47  2.2k  [0603]  280.16,25.91 0 top
R48  2.2k  [0603]  280.16,20.83 0 top
R49  4.7k  [0603]  323.85,45.72 180 top
R50  10k  [0603]  354.33,40.64 0 top
R51  10k  [0603]  323.85,34.16 180 top
R52  10k  [0603]  299.72,33.66 270 top
R53  715  [0603]  309.25,24.13 180 top
R54  240  [0603]  309.25,26.67 0 top
R55  2.2k  [0603]  355.35,25.91 180 top
R56  2.2k  [0603]  355.35,20.83 180 top
R57  4.7k  [0603]  323.85,37.97 180 top
R58  4.7k  [0603]  323.85,41.78 180 top
R59  2.2k  [0603]  351.79,25.91 0 top
R60  2.2k  [0603]  351.79,20.83 0 top
R61  4.7k  [0603]  37.34,99.57 180 top
R62  10k  [0603]  67.82,94.49 0 top
R63  10k  [0603]  37.34,88.01 180 top
R64  10k  [0603]  13.21,87.5 270 top
R65  715  [0603]  22.73,77.98 180 top
R66  240  [0603]  22.73,80.52 0 top
R67  2.2k  [0603]  68.83,79.76 180 top
R68  2.2k  [0603]  68.83,74.68 180 top
R69  4.7k  [0603]  37.34,91.82 180 top
R70  4.7k  [0603]  37.34,95.63 180 top
R71  2.2k  [0603]  65.28,79.76 0 top
R72  2.2k  [0603]  65.28,74.68 0 top
R73  4.7k  [0603]  108.97,99.57 180 top
R74  10k  [0603]  139.45,94.49 0 top
R75  10k  [0603]  108.97,88.01 180 top
R76  10k  [0603]  84.84,87.5 270 top
R77  715  [0603]  94.36,77.98 180 top
R78  240  [0603]  94.36,80.52 0 top
R79  2.2k  [0603]  140.46,79.76 180 top
R80  2.2k  [0603]  140.46,74.68 180 top
R81  4.7k  [0603]  108.97,91.82 180 top
R82  4.7k  [0603]  108.97,95.63 180 top
R83  2.2k  [0603]  136.91,79.76 0 top
R84  2.2k  [0603]  136.91,74.68 0 top
R85  4.7k  [0603]  180.59,99.57 180 top
R86  10k  [0603]  211.07,94.49 0 top
R87  10k  [0603]  180.59,88.01 180 top
R88  10k  [0603]  156.46,87.5 270 top
R89  715  [0603]  165.99,77.98 180 top
R90  240  [0603]  165.99,80.52 0 top
R91  2.2k  [0603]  212.09,79.76 180 top
R92  2.2k  [0603]  212.09,74.68 180 top
R93  4.7k  [0603]  180.59,91.82 180 top
R94  4.7k  [0603]  180.59,95.63 180 top
R95  2.2k  [0603]  208.53,79.76 0 top
R96  2.2k  [0603]  208.53,74.68 0 top
R97  4.7k  [0603]  252.22,99.57 180 top
R98  10k  [0603]  282.7,94.49 0 top
R99  10k  [0603]  252.22,88.01 180 top
R100  10k  [0603]  228.09,87.5 270 top
R101  715  [0603]  237.62,77.98 180 top
R102  240  [0603]  237.62,80.52 0 top
R103  2.2k  [0603]  283.72,79.76 180 top
R104  2.2k  [0603]  283.72,74.68 180 top
R105  4.7k  [0603]  252.22,91.82 180 top
R106  4.7k  [0603]  252.22,95.63 180 top
R107  2.2k  [0603]  280.16,79.76 0 top
R108  2.2k  [0603]  280.16,74.68 0 top
R109  4.7k  [0603]  323.85,99.57 180 top
R110  10k  [0603]  354.33,94.49 0 top
R111  10k  [0603]  323.85,88.01 180 top
R112  10k  [0603]  299.72,87.5 270 top
R113  715  [0603]  309.25,77.98 180 top
R114  240  [0603]  309.25,80.52 0 top
R115  2.2k  [0603]  355.35,79.76 180 top
R116  2.2k  [0603]  355.35,74.68 180 top
R117  4.7k  [0603]  323.85,91.82 180 top
R118  4.7k  [0603]  323.85,95.63 180 top
R119  2.2k  [0603]  351.79,79.76 0 top
R120  2.2k  [0603]  351.79,74.68 0 top
R121  4.7k  [0603]  37.34,153.42 180 top
R122  10k  [0603]  67.82,148.34 0 top
R123  10k  [0603]  37.34,141.86 180 top
R124  10k  [0603]  13.21,141.35 270 top
R125  715  [0603]  22.73,131.83 180 top
R126  240  [0603]  22.73,134.37 0 top
R127  2.2k  [0603]  68.83,133.6 180 top
R128  2.2k  [0603]  68.83,128.52 180 top
R129  4.7k  [0603]  37.34,145.67 180 top
R130  4.7k  [0603]  37.34,149.48 180 top
R131  2.2k  [0603]  65.28,133.6 0 top
R132  2.2k  [0603]  65.28,128.52 0 top
R133  4.7k  [0603]  108.97,153.42 180 top
R134  10k  [0603]  139.45,148.34 0 top
R135  10k  [0603]  108.97,141.86 180 top
R136  10k  [0603]  84.84,141.35 270 top
R137  715  [0603]  94.36,131.83 180 top
R138  240  [0603]  94.36,134.37 0 top
R139  2.2k  [0603]  140.46,133.6 180 top
R140  2.2k  [0603]  140.46,128.52 180 top
R141  4.7k  [0603]  108.97,145.67 180 top
R142  4.7k  [0603]  108.97,149.48 180 top
R143  2.2k  [0603]  136.91,133.6 0 top
R144  2.2k  [0603]  136.91,128.52 0 top
R145  4.7k  [0603]  180.59,153.42 180 top
R146  10k  [0603]  211.07,148.34 0 top
R147  10k  [0603]  180.59,141.86 180 top
R148  10k  [0603]  156.46,141.35 270 top
R149  715  [0603]  165.99,131.83 180 top
R150  240  [0603]  165.99,134.37 0 top
R151  2.2k  [0603]  212.09,133.6 180 top
R152  2.2k  [0603]  212.09,128.52 180 top
R153  4.7k  [0603]  180.59,145.67 180 top
R154  4.7k  [0603]  180.59,149.48 180 top
R155  2.2k  [0603]  208.53,133.6 0 top
R156  2.2k  [0603]  208.53,128.52 0 top
R157  4.7k  [0603]  252.22,153.42 180 top
R158  10k  [0603]  282.7,148.34 0 top
R159  10k  [0603]  252.22,141.86 180 top
R160  10k  [0603]  228.09,141.35 270 top
R161  715  [0603]  237.62,131.83 180 top
R162  240  [0603]  237.62,134.37 0 top
R163  2.2k  [0603]  283.72,133.6 180 top
R164  2.2k  [0603]  283.72,128.52 180 top
R165  4.7k  [0603]  252.22,145.67 180 top
R166  4.7k  [0603]  252.22,149.48 180 top
R167  2.2k  [0603]  280.16,133.6 0 top
R168  2.2k  [0603]  280.16,128.52 0 top
R169  4.7k  [0603]  323.85,153.42 180 top
R170  10k  [0603]  354.33,148.34 0 top